# KiCad board sap-1_mk2.kicad_pcb (continued)
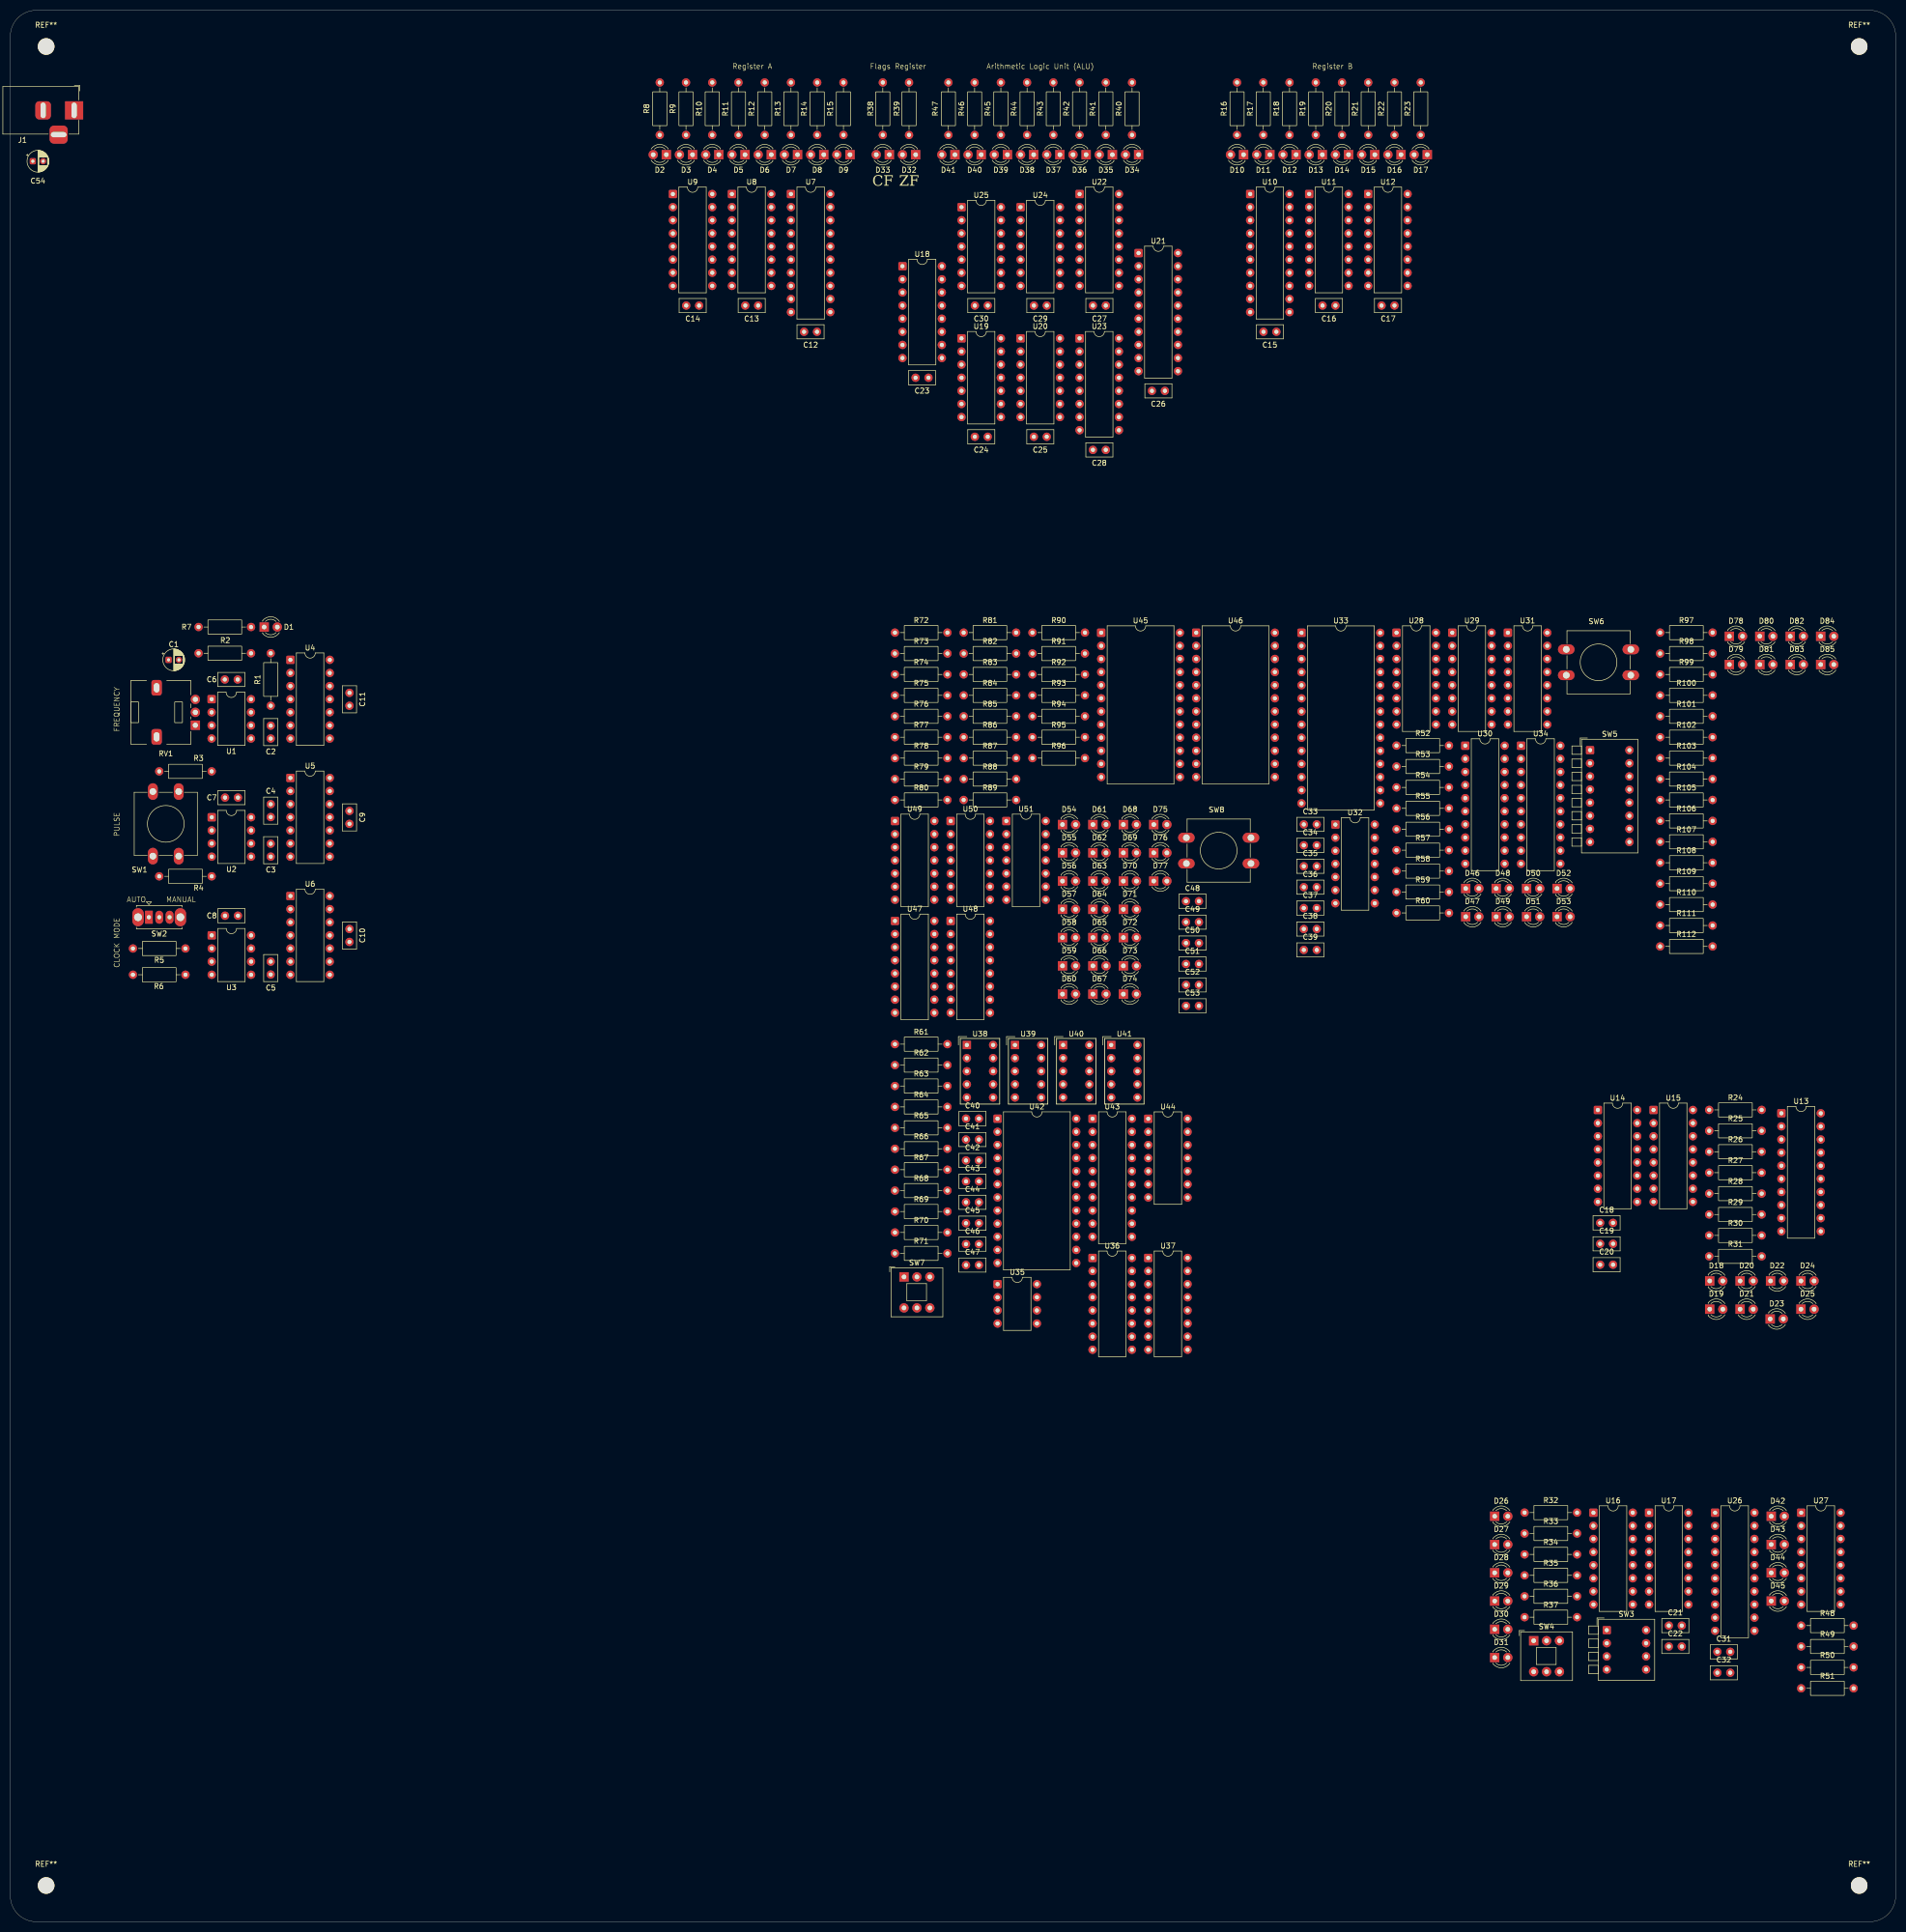
[diagram p0: board, top side]
## Placement (name value [footprint] x y rotation side) (continued)
R77  220  [R_Axial_DIN0207_L6.3mm_D2.5mm_P10.16mm_Horizontal]  171.26 229.29 0 top
R78  220  [R_Axial_DIN0207_L6.3mm_D2.5mm_P10.16mm_Horizontal]  171.26 225.24 0 top
R79  220  [R_Axial_DIN0207_L6.3mm_D2.5mm_P10.16mm_Horizontal]  171.26 221.19 0 top
R80  1K  [R_Axial_DIN0207_L6.3mm_D2.5mm_P10.16mm_Horizontal]  171.26 217.14 0 top
R81  220  [R_Axial_DIN0207_L6.3mm_D2.5mm_P10.16mm_Horizontal]  184.57 249.54 0 top
R82  220  [R_Axial_DIN0207_L6.3mm_D2.5mm_P10.16mm_Horizontal]  184.57 245.49 0 top
R83  220  [R_Axial_DIN0207_L6.3mm_D2.5mm_P10.16mm_Horizontal]  184.57 241.44 0 top
R84  220  [R_Axial_DIN0207_L6.3mm_D2.5mm_P10.16mm_Horizontal]  184.57 237.39 0 top
R85  220  [R_Axial_DIN0207_L6.3mm_D2.5mm_P10.16mm_Horizontal]  184.57 233.34 0 top
R86  220  [R_Axial_DIN0207_L6.3mm_D2.5mm_P10.16mm_Horizontal]  184.57 229.29 0 top
R87  220  [R_Axial_DIN0207_L6.3mm_D2.5mm_P10.16mm_Horizontal]  184.57 225.24 0 top
R88  220  [R_Axial_DIN0207_L6.3mm_D2.5mm_P10.16mm_Horizontal]  184.57 221.19 0 top
R89  220  [R_Axial_DIN0207_L6.3mm_D2.5mm_P10.16mm_Horizontal]  184.57 217.14 0 top
R90  220  [R_Axial_DIN0207_L6.3mm_D2.5mm_P10.16mm_Horizontal]  197.88 249.54 0 top
R91  220  [R_Axial_DIN0207_L6.3mm_D2.5mm_P10.16mm_Horizontal]  197.88 245.49 0 top
R92  220  [R_Axial_DIN0207_L6.3mm_D2.5mm_P10.16mm_Horizontal]  197.88 241.44 0 top
R93  220  [R_Axial_DIN0207_L6.3mm_D2.5mm_P10.16mm_Horizontal]  197.88 237.39 0 top
R94  220  [R_Axial_DIN0207_L6.3mm_D2.5mm_P10.16mm_Horizontal]  197.88 233.34 0 top
R95  220  [R_Axial_DIN0207_L6.3mm_D2.5mm_P10.16mm_Horizontal]  197.88 229.29 0 top
R96  220  [R_Axial_DIN0207_L6.3mm_D2.5mm_P10.16mm_Horizontal]  197.88 225.24 0 top
R97  220  [R_Axial_DIN0207_L6.3mm_D2.5mm_P10.16mm_Horizontal]  319.4 249.54 0 top
R98  220  [R_Axial_DIN0207_L6.3mm_D2.5mm_P10.16mm_Horizontal]  319.4 245.49 0 top
R99  220  [R_Axial_DIN0207_L6.3mm_D2.5mm_P10.16mm_Horizontal]  319.4 241.44 0 top
R100  220  [R_Axial_DIN0207_L6.3mm_D2.5mm_P10.16mm_Horizontal]  319.4 237.39 0 top
R101  220  [R_Axial_DIN0207_L6.3mm_D2.5mm_P10.16mm_Horizontal]  319.4 233.34 0 top
R102  220  [R_Axial_DIN0207_L6.3mm_D2.5mm_P10.16mm_Horizontal]  319.4 229.29 0 top
R103  220  [R_Axial_DIN0207_L6.3mm_D2.5mm_P10.16mm_Horizontal]  319.4 225.24 0 top
R104  220  [R_Axial_DIN0207_L6.3mm_D2.5mm_P10.16mm_Horizontal]  319.4 221.19 0 top
R105  10K  [R_Axial_DIN0207_L6.3mm_D2.5mm_P10.16mm_Horizontal]  319.4 217.14 0 top
R106  10K  [R_Axial_DIN0207_L6.3mm_D2.5mm_P10.16mm_Horizontal]  319.4 213.09 0 top
R107  10K  [R_Axial_DIN0207_L6.3mm_D2.5mm_P10.16mm_Horizontal]  319.4 209.04 0 top
R108  10K  [R_Axial_DIN0207_L6.3mm_D2.5mm_P10.16mm_Horizontal]  319.4 204.99 0 top
R109  10K  [R_Axial_DIN0207_L6.3mm_D2.5mm_P10.16mm_Horizontal]  319.4 200.94 0 top
R110  10K  [R_Axial_DIN0207_L6.3mm_D2.5mm_P10.16mm_Horizontal]  319.4 196.89 0 top
R111  10K  [R_Axial_DIN0207_L6.3mm_D2.5mm_P10.16mm_Horizontal]  319.4 192.84 0 top
R112  10K  [R_Axial_DIN0207_L6.3mm_D2.5mm_P10.16mm_Horizontal]  319.4 188.79 0 top
REF**  -  [MountingHole_3.2mm_M3]  357.93 363 0 top
REF**#2  -  [MountingHole_3.2mm_M3]  6.93 7 0 top
REF**#3  -  [MountingHole_3.2mm_M3]  6.93 363 0 top
REF**#4  -  [MountingHole_3.2mm_M3]  357.93 7 0 top
RV1  1M  [Potentiometer_Alps_RK09L_Single_Vertical]  35.82 231.61 180 top
SW1  SW_Push  [SW_PUSH-12mm]  27.6 206.27 90 top
SW2  SW_SPDT  [SW_Slide_SPDT_Straight_CK_OS102011MS2Q]  26.82 194.44 0 top
SW3  SW_DIP_x04  [SW_DIP_SPSTx04_Piano_10.8x11.72mm_W7.62mm_P2.54mm]  309.07 56.44 0 top
SW4  SW_SPDT  [SW_Push_2P2T_Toggle_CK_PVA2OAH5xxxxxxV2]  294.92 54.38 0 top
SW5  SW_DIP_x08  [SW_DIP_SPSTx08_Piano_10.8x21.88mm_W7.62mm_P2.54mm]  305.83 226.78 0 top
SW6  SW_Push  [SW_PUSH-12mm]  301.23 246.29 0 top
SW7  SW_SPDT  [SW_Push_2P2T_Toggle_CK_PVA2OAH5xxxxxxV2]  173.02 124.81 0 top
SW8  Reset  [SW_PUSH-12mm]  227.69 209.84 0 top
U1  NE555P  [DIP-8_W7.62mm]  38.97 236.65 0 top
U2  NE555P  [DIP-8_W7.62mm]  38.99 213.79 0 top
U3  NE555P  [DIP-8_W7.62mm]  38.99 190.93 0 top
U4  74LS04  [DIP-14_W7.62mm]  54.23 244.27 0 top
U5  74LS08  [DIP-14_W7.62mm]  54.23 221.41 0 top
U6  74LS32  [DIP-14_W7.62mm]  54.23 198.55 0 top
U7  74LS245  [DIP-20_W7.62mm]  151.13 334.44 0 top
U8  74LS173  [DIP-16_W7.62mm]  139.7 334.44 0 top
U9  74LS173  [DIP-16_W7.62mm]  128.27 334.44 0 top
U10  74LS245  [DIP-20_W7.62mm]  240.03 334.44 0 top
U11  74LS173  [DIP-16_W7.62mm]  251.46 334.44 0 top
U12  74LS173  [DIP-16_W7.62mm]  262.89 334.44 0 top
U13  74LS245  [DIP-20_W7.62mm]  342.88 156.5 0 top
U14  74LS173  [DIP-16_W7.62mm]  307.35 157.12 0 top
U15  74LS173  [DIP-16_W7.62mm]  318.12 157.12 0 top
U16  74LS173  [DIP-16_W7.62mm]  306.48 79.17 0 top
U17  74LS157  [DIP-16_W7.62mm]  317.26 79.17 0 top
U18  74LS173  [DIP-16_W7.62mm]  172.72 320.47 0 top
U19  74LS08  [DIP-14_W7.62mm]  184.15 306.5 0 top
U20  74LS02  [DIP-14_W7.62mm]  195.58 306.5 0 top
U21  74LS245  [DIP-20_W7.62mm]  218.44 323.01 0 top
U22  74LS283  [DIP-16_W7.62mm]  207.01 334.44 0 top
U23  74LS283  [DIP-16_W7.62mm]  207.01 306.5 0 top
U24  74LS86  [DIP-14_W7.62mm]  195.58 331.9 0 top
U25  74LS86  [DIP-14_W7.62mm]  184.15 331.9 0 top
U26  74LS245  [DIP-20_W7.62mm]  330.04 79.17 0 top
U27  74LS161  [DIP-16_W7.62mm]  346.71 79.17 0 top
U28  74LS257  [DIP-16_W7.62mm]  268.37 249.52 0 top
U29  74LS257  [DIP-16_W7.62mm]  279.15 249.52 0 top
U30  74LS245  [DIP-20_W7.62mm]  281.68 227.65 0 top
U31  74LS157  [DIP-16_W7.62mm]  289.93 249.52 0 top
U32  74LS00  [DIP-14_W7.62mm]  256.53 212.38 0 top
U33  CY62256-70PC  [DIP-28_W15.24mm]  249.97 249.51 0 top
U34  74LS245  [DIP-20_W7.62mm]  292.46 227.65 0 top
U35  NE555P  [DIP-8_W7.62mm]  191.13 123.41 0 top
U36  74LS76  [DIP-16_W7.62mm]  209.52 128.49 0 top
U37  74LS139  [DIP-16_W7.62mm]  220.3 128.49 0 top
U38  HDSP-7503  [HDSP-A151]  185.19 169.7 0 top
U39  HDSP-7503  [HDSP-A151]  194.5 169.7 0 top
U40  HDSP-7503  [HDSP-A151]  203.82 169.7 0 top
U41  HDSP-7503  [HDSP-A151]  213.13 169.7 0 top
U42  AT28C16  [DIP-24_W15.24mm]  191.12 155.44 0 top
U43  74LS273  [DIP-20_W7.62mm]  209.52 155.44 0 top
U44  74LS08  [DIP-14_W7.62mm]  220.3 155.43 0 top
U45  AT28C16  [DIP-24_W15.24mm]  211.19 249.52 0 top
U46  AT28C16  [DIP-24_W15.24mm]  229.58 249.52 0 top
U47  74LS161  [DIP-16_W7.62mm]  171.27 193.72 0 top
U48  74LS138  [DIP-16_W7.62mm]  182.05 193.72 0 top
U49  74LS00  [DIP-14_W7.62mm]  171.27 213.06 0 top
U50  74LS04  [DIP-14_W7.62mm]  182.05 213.06 0 top
U51  74LS04  [DIP-14_W7.62mm]  192.83 213.06 0 top

## Library data of the parts
C1 = -: Description: capacitor, small US symbol; KiLib_Generator: capacitor/THT/other; ki_fp_filters: C_*
C2-C53 = -: Description: Unpolarized capacitor, small symbol; KiLib_Generator: capacitor/THT/other; ki_fp_filters: C_*
C54 = -: Description: capacitor, US symbol; KiLib_Generator: capacitor/THT/other; ki_fp_filters: C_*
D1-D85 = -: Description: Light emitting diode; KiLib_Generator: LED/THT; Sim.Pins: 1=K 2=A; ki_fp_filters: LED* LED_SMD:* LED_THT:*
J1 = -: Description: DC Barrel Jack; ki_fp_filters: BarrelJack*
R1-R112 = -: Description: Resistor; KiLib_Generator: resistor/THT; ki_fp_filters: R_*
REF** REF**#2-REF**#4 = -: KiLib_Generator: mounting_hardware/mounting_hole
RV1 = -: Description: Trim-potentiometer; Sim.Device: R; Sim.Type: POT; Sim.Pins: 1=r0 2=wiper 3=r1; ki_fp_filters: Potentiometer*
SW1 SW6 SW8 = -: Description: Push button switch, generic, two pins
SW2 SW4 SW7 = -: Description: Switch, single pole double throw
SW3 = -: Description: 4x DIP Switch, Single Pole Single Throw (SPST) switch, small symbol; KiLib_Generator: button_switch/DIP; ki_fp_filters: SW?DIP?x4*
SW5 = -: Description: 8x DIP Switch, Single Pole Single Throw (SPST) switch, small symbol; KiLib_Generator: button_switch/DIP; ki_fp_filters: SW?DIP?x8*
U1-U3 U35 = -: Datasheet: http://www.ti.com/lit/ds/symlink/ne555.pdf; Description: Precision Timers, 555 compatible, PDIP-8; KiLib_Generator: package/DIP/legacy; ki_fp_filters: DIP*W7.62mm*
U4 U50 U51 = -: Datasheet: http://www.ti.com/lit/gpn/sn74LS04; Description: Hex Inverter; KiLib_Generator: package/DIP/legacy; ki_fp_filters: DIP*W7.62mm* SSOP?14* TSSOP?14*
U5 U19 U44 = -: Datasheet: http://www.ti.com/lit/gpn/sn74LS08; Description: Quad And2; KiLib_Generator: package/DIP/legacy; ki_fp_filters: DIP*W7.62mm*
U6 = -: Datasheet: http://www.ti.com/lit/gpn/sn74LS32; Description: Quad 2-input OR; KiLib_Generator: package/DIP/legacy; ki_fp_filters: DIP?14*
U7 U10 U13 U21 U26 U30 U34 = -: Datasheet: http://www.ti.com/lit/gpn/sn74LS245; Description: Octal BUS Transceivers, 3-State outputs; KiLib_Generator: package/DIP/legacy; ki_fp_filters: DIP?20*
U8 U9 U11 U12 U14-U16 U18 = -: Datasheet: http://www.ti.com/lit/gpn/sn74LS173; Description: 4-bit D-type Register, 3 state out; KiLib_Generator: package/DIP/legacy; ki_fp_filters: DIP?16*
U17 U31 = -: Datasheet: http://www.ti.com/lit/gpn/sn74LS157; Description: Quad 2 to 1 line Multiplexer; KiLib_Generator: package/DIP/legacy; ki_fp_filters: DIP?16*
U20 = -: Datasheet: http://www.ti.com/lit/gpn/sn74ls02; Description: quad 2-input NOR gate; KiLib_Generator: package/DIP/legacy; ki_fp_filters: SO14* DIP*W7.62mm*
U22 U23 U42 U45 U46 = -: KiLib_Generator: package/DIP/legacy
U24 U25 = -: Datasheet: https://www.jameco.com/Jameco/Products/ProdDS/48098.pdf; Description: Quad 2-input XOR; KiLib_Generator: package/DIP/legacy; ki_fp_filters: DIP*W7.62mm*
U27 U47 = -: Datasheet: http://www.ti.com/lit/gpn/sn74LS161; Description: Synchronous 4-bit programmable binary Counter; KiLib_Generator: package/DIP/legacy; ki_fp_filters: DIP?16*
U28 U29 = -: Datasheet: http://www.ti.com/lit/gpn/sn74LS257; Description: Quad 2 to 1 Multiplexer; KiLib_Generator: package/DIP/legacy; ki_fp_filters: DIP?16*
U32 U49 = -: Datasheet: http://www.ti.com/lit/gpn/sn74ls00; Description: quad 2-input NAND gate; KiLib_Generator: package/DIP/legacy; ki_fp_filters: DIP*W7.62mm* SO14*
U33 = -: Datasheet: https://ecee.colorado.edu/~mcclurel/Cypress_SRAM_CY62256.pdf; Description: 256K (32K x 8) Static RAM, 70ns, DIP-28; KiLib_Generator: package/DIP/legacy; ki_fp_filters: DIP*W15.24mm*
U36 = -: Datasheet: http://www.ti.com/lit/gpn/sn74LS76; Description: Dual JK Flip-flop, Set & Reset; KiLib_Generator: package/DIP/legacy; ki_fp_filters: DIP?16*
U37 = -: Datasheet: http://www.ti.com/lit/ds/symlink/sn74ls139a.pdf; Description: Dual Decoder 1 of 4, Active low outputs; KiLib_Generator: package/DIP/legacy; ki_fp_filters: DIP?16*
U38-U41 = -: Datasheet: https://docs.broadcom.com/docs/AV02-2553EN; Description: One digit 7 segment high efficiency red, common cathode; ki_fp_filters: HDSP?A151*
U43 = -: Datasheet: http://www.ti.com/lit/gpn/sn74LS273; Description: 8-bit D Flip-Flop, reset; KiLib_Generator: package/DIP/legacy; ki_fp_filters: DIP?20* SO?20* SOIC?20*
U48 = -: Datasheet: http://www.ti.com/lit/gpn/sn74LS138; Description: Decoder 3 to 8 active low outputs; KiLib_Generator: package/DIP/legacy; ki_fp_filters: DIP?16*

## Footprints (pads in the part's own frame, mm; a bottom-side part is the same pattern mirrored in y, then rotated)
BarrelJack_Horizontal
  rect 3.5x3.5 hole 1x3: 1(0,0)
  rrect 3x3.5 hole 1x3: 2(-6,0)
  rrect 3.5x3.5 hole 3x1: 3(-3,-4.7)
C_Disc_D5.0mm_W2.5mm_P2.50mm
  round 1.6 hole 0.8: 1(0,0) 2(2.5,0)
CP_Radial_D4.0mm_P2.00mm
  rrect 1.2x1.2 hole 0.6: 1(0,0)
  round 1.2 hole 0.6: 2(2,0)
DIP-8_W7.62mm
  rrect 1.6x1.6 hole 0.8: 1(0,0)
  round 1.6 hole 0.8: 2(0,-2.54) 3(0,-5.08) 4(0,-7.62) 5(7.62,-7.62) 6(7.62,-5.08) 7(7.62,-2.54) 8(7.62,0)
DIP-14_W7.62mm
  rrect 1.6x1.6 hole 0.8: 1(0,0)
  round 1.6 hole 0.8: 2(0,-2.54) 3(0,-5.08) 4(0,-7.62) 5(0,-10.16) 6(0,-12.7) 7(0,-15.24) 8(7.62,-15.24) 9(7.62,-12.7) 10(7.62,-10.16) 11(7.62,-7.62) 12(7.62,-5.08) 13(7.62,-2.54) 14(7.62,0)
DIP-16_W7.62mm
  rrect 1.6x1.6 hole 0.8: 1(0,0)
  round 1.6 hole 0.8: 2(0,-2.54) 3(0,-5.08) 4(0,-7.62) 5(0,-10.16) 6(0,-12.7) 7(0,-15.24) 8(0,-17.78) 9(7.62,-17.78) 10(7.62,-15.24) 11(7.62,-12.7) 12(7.62,-10.16) 13(7.62,-7.62) 14(7.62,-5.08) 15(7.62,-2.54) 16(7.62,0)
DIP-20_W7.62mm
  rrect 1.6x1.6 hole 0.8: 1(0,0)
  round 1.6 hole 0.8: 2(0,-2.54) 3(0,-5.08) 4(0,-7.62) 5(0,-10.16) 6(0,-12.7) 7(0,-15.24) 8(0,-17.78) 9(0,-20.32) 10(0,-22.86) 11(7.62,-22.86) 12(7.62,-20.32) 13(7.62,-17.78) 14(7.62,-15.24) 15(7.62,-12.7) 16(7.62,-10.16) 17(7.62,-7.62) 18(7.62,-5.08) 19(7.62,-2.54) 20(7.62,0)
DIP-24_W15.24mm
  rrect 1.6x1.6 hole 0.8: 1(0,0)
  round 1.6 hole 0.8: 2(0,-2.54) 3(0,-5.08) 4(0,-7.62) 5(0,-10.16) 6(0,-12.7) 7(0,-15.24) 8(0,-17.78) 9(0,-20.32) 10(0,-22.86) 11(0,-25.4) 12(0,-27.94) 13(15.24,-27.94) 14(15.24,-25.4) 15(15.24,-22.86) 16(15.24,-20.32) 17(15.24,-17.78) 18(15.24,-15.24) 19(15.24,-12.7) 20(15.24,-10.16) 21(15.24,-7.62) 22(15.24,-5.08) 23(15.24,-2.54) 24(15.24,0)
DIP-28_W15.24mm
  rrect 1.6x1.6 hole 0.8: 1(0,0)
  round 1.6 hole 0.8: 2(0,-2.54) 3(0,-5.08) 4(0,-7.62) 5(0,-10.16) 6(0,-12.7) 7(0,-15.24) 8(0,-17.78) 9(0,-20.32) 10(0,-22.86) 11(0,-25.4) 12(0,-27.94) 13(0,-30.48) 14(0,-33.02) 15(15.24,-33.02) 16(15.24,-30.48) 17(15.24,-27.94) 18(15.24,-25.4) 19(15.24,-22.86) 20(15.24,-20.32) 21(15.24,-17.78) 22(15.24,-15.24) 23(15.24,-12.7) 24(15.24,-10.16) 25(15.24,-7.62) 26(15.24,-5.08) 27(15.24,-2.54) 28(15.24,0)
HDSP-A151
  rect 1.6x1.6 hole 0.8: 1(0,0)
  round 1.6 hole 0.8: 2(0,-2.54) 3(0,-5.08) 4(0,-7.62) 5(0,-10.16) 6(5.08,-10.16) 7(5.08,-7.62) 8(5.08,-5.08) 9(5.08,-2.54) 10(5.08,0)
LED_D3.0mm
  rect 1.8x1.8 hole 0.9: 1(0,0)
  round 1.8 hole 0.9: 2(2.54,0)
MountingHole_3.2mm_M3
  round 3.2 hole 3.2 unplated: (0,0)
Potentiometer_Alps_RK09L_Single_Vertical
  rect 1.8x1.8 hole 1: 1(0,0)
  round 1.8 hole 1: 2(0,-2.5) 3(0,-5)
  rrect 2x3 hole 1.1x1.8: MP(7.5,2.25) MP(7.5,-7.25)
R_Axial_DIN0207_L6.3mm_D2.5mm_P10.16mm_Horizontal
  round 1.6 hole 0.8: 1(0,0) 2(10.16,0)
SW_DIP_SPSTx04_Piano_10.8x11.72mm_W7.62mm_P2.54mm
  rrect 1.6x1.6 hole 0.8: 1(0,0)
  round 1.6 hole 0.8: 2(0,-2.54) 3(0,-5.08) 4(0,-7.62) 5(7.62,-7.62) 6(7.62,-5.08) 7(7.62,-2.54) 8(7.62,0)
SW_DIP_SPSTx08_Piano_10.8x21.88mm_W7.62mm_P2.54mm
  rrect 1.6x1.6 hole 0.8: 1(0,0)
  round 1.6 hole 0.8: 2(0,-2.54) 3(0,-5.08) 4(0,-7.62) 5(0,-10.16) 6(0,-12.7) 7(0,-15.24) 8(0,-17.78) 9(7.62,-17.78) 10(7.62,-15.24) 11(7.62,-12.7) 12(7.62,-10.16) 13(7.62,-7.62) 14(7.62,-5.08) 15(7.62,-2.54) 16(7.62,0)
SW_PUSH-12mm
  oval 3.2x1.9 hole 1.3: 1(0,0) 1(12.5,0) 2(0,-5) 2(12.5,-5)
SW_Push_2P2T_Toggle_CK_PVA2OAH5xxxxxxV2
  rect 1.8x1.8 hole 0.9: 1(0,0)
  round 1.8 hole 0.9: 2(2.5,0) 3(5,0) 4(0,-6) 5(2.5,-6) 6(5,-6)
SW_Slide_SPDT_Straight_CK_OS102011MS2Q
  oval 2.2x3.5 hole 1.5: (-2.1,0) (6.1,0)
  rect 1.5x2.5 hole 0.8: 1(0,0)
  oval 1.5x2.5 hole 0.8: 2(2,0) 3(4,0)

## Nets
+5V: C6.1 C7.1 C8.1 C9.1 C10.1 C11.1 C12.2 C13.2 C14.2 C15.2 C16.2 C17.2 C18.2 C19.2 C20.2 C21.2 C22.1 C23.1 C24.2 C25.2 C26.1 C29.2 C30.2 C31.1 C32.1 C33.2 C34.2 C35.2 C36.1 C38.1 C39.2 C40.2 C43.2 C44.2 C45.1 C46.1 C47.2 C48.1 C49.1 C50.1 C51.1 C52.2 C53.2 C54.1 J1.1 R1.1 R5.1 R6.1 R36.2 R37.2 R61.1 R75.2 R76.2 R77.2 R78.2 R79.2 SW7.3 SW8.1 U1.4 U1.8 U2.8 U3.8 U4.14 U5.14 U6.14 U7.1 U7.20 U8.16 U9.16 U10.1 U10.19 U10.20 U11.16 U12.16 U13.1 U13.20 U14.16 U15.16 U16.16 U17.16 U18.16 U19.14 U20.14 U21.1 U21.20 U24.14 U25.14 U26.20 U27.16 U28.16 U29.16 U30.1 U30.20 U31.16 U33.28 U34.1 U34.20 U35.8 U36.2 U36.3 U36.4 U36.5 U36.7 U36.8 U36.9 U36.12 U36.16 U37.15 U37.16 U42.21 U42.24 U43.20 U44.14 U45.21 U45.24 U46.1 U46.21 U46.24 U47.7 U47.9 U47.10 U47.16 U48.6 U48.16 U49.14 U50.14
GND: C1.2 C2.2 C3.2 C4.2 C5.2 C6.2 C7.2 C8.2 C9.2 C10.2 C11.2 C12.1 C13.1 C14.1 C15.1 C16.1 C17.1 C18.1 C19.1 C20.1 C21.1 C22.2 C23.2 C24.1 C25.1 C26.2 C29.1 C30.1 C31.2 C32.2 C33.1 C34.1 C35.1 C36.2 C38.2 C39.1 C40.1 C41.2 C42.2 C43.1 C44.1 C45.2 C46.2 C47.1 C48.2 C49.2 C50.2 C51.2 C52.1 C53.1 C54.2 J1.2 R7.2 R8.2 R9.2 R10.2 R11.2 R12.2 R13.2 R14.2 R15.2 R16.2 R17.2 R18.2 R19.2 R20.2 R21.2 R22.2 R23.2 R24.2 R25.2 R26.2 R27.2 R28.2 R29.2 R30.2 R31.2 R32.2 R33.2 R34.2 R35.2 R38.2 R39.2 R40.1 R41.1 R42.1 R43.1 R44.1 R45.1 R46.1 R47.1 R48.1 R49.1 R50.1 R51.1 R52.2 R53.2 R54.2 R55.2 R56.2 R57.2 R58.2 R59.2 R60.2 R63.2 R72.1 R73.1 R74.1 R80.1 R81.1 R82.1 R83.1 R84.1 R85.1 R86.1 R87.1 R88.1 R89.1 R90.1 R91.1 R92.1 R93.1 R94.1 R95.1 R96.1 R97.2 R98.2 R99.2 R100.2 R101.2 R102.2 R103.2 R104.2 R105.2 R106.2 R107.2 R108.2 R109.2 R110.2 R111.2 R112.2 SW1.1 SW2.2 SW3.3 SW3.4 SW3.7 SW3.8 SW4.2 SW5.3 SW5.4 SW5.7 SW5.8 SW5.11 SW5.12 SW5.15 SW5.16 SW6.1 U1.1 U2.1 U3.1 U3.6 U4.3 U4.5 U4.7 U4.11 U5.7 U5.12 U5.13 U6.4 U6.5 U6.7 U6.9 U6.10 U6.12 U6.13 U7.10 U8.1 U8.2 U8.8 U9.1 U9.2 U9.8 U10.10 U11.1 U11.2 U11.8 U12.1 U12.2 U12.8 U13.6 U13.7 U13.8 U13.9 U13.10 U14.1 U14.2 U14.8 U15.1 U15.2 U15.8 U16.1 U16.2 U16.8 U17.8 U17.15 U18.1 U18.2 U18.8 U19.7 U19.12 U19.13 U20.7 U21.10 U24.7 U25.7 U26.1 U26.10 U27.8 U28.8 U29.8 U30.10 U31.8 U31.15 U33.1 U33.2 U33.3 U33.4 U33.5 U33.6 U33.14 U33.20 U33.21 U33.22 U33.23 U33.24 U33.25 U33.26 U34.10 U34.19 U35.1 U36.13 U37.1 U37.8 U37.13 U37.14 U42.12 U42.18 U42.20 U43.10 U44.4 U44.5 U44.7 U44.9 U44.10 U44.12 U44.13 U45.1 U45.12 U45.18 U45.19 U45.20 U46.12 U46.18 U46.19 U46.20 U47.8 U48.4 U48.5 U48.8 U49.7 U50.7
/A_Register/~{AI}: U8.9 U8.10 U9.9 U9.10 U50.10
/A_Register/~{AO}: U7.19 U50.8
/ALU/A_0: D9.2 U7.9 U9.6 U23.5
/ALU/A_1: D8.2 U7.8 U9.5 U23.3
/ALU/A_2: D7.2 U7.7 U9.4 U23.14
/ALU/A_3: D6.2 U7.6 U9.3 U23.12
/ALU/A_4: D5.2 U7.5 U8.6 U22.5
/ALU/A_5: D4.2 U7.4 U8.5 U22.3
/ALU/A_6: D3.2 U7.3 U8.4 U22.14
/ALU/A_7: D2.2 U7.2 U8.3 U22.12
/ALU/B_0: D17.2 U10.9 U12.6 U25.4
/ALU/B_1: D16.2 U10.8 U12.5 U25.1
/ALU/B_2: D15.2 U10.7 U12.4 U25.12
/ALU/B_3: D14.2 U10.6 U12.3 U25.9
/ALU/B_4: D13.2 U10.5 U11.6 U24.4
/ALU/B_5: D12.2 U10.4 U11.5 U24.1
/ALU/B_6: D11.2 U10.3 U11.4 U24.12
/ALU/B_7: D10.2 U10.2 U11.3 U24.9
/ALU/BUS_0: D85.2 R112.1 U7.11 U9.11 U10.11 U12.11 U13.11 U15.11 U16.11 U21.11 U26.9 U27.6 U29.10 U30.11 U43.3
/ALU/BUS_1: D84.2 R111.1 U7.12 U9.12 U10.12 U12.12 U13.12 U15.12 U16.12 U21.12 U26.8 U27.5 U29.13 U30.12 U43.4
/ALU/BUS_2: D83.2 R110.1 U7.13 U9.13 U10.13 U12.13 U13.13 U15.13 U16.13 U21.13 U26.7 U27.4 U29.6 U30.13 U43.7
/ALU/BUS_3: D82.2 R109.1 U7.14 U9.14 U10.14 U12.14 U13.14 U15.14 U16.14 U21.14 U26.6 U27.3 U29.3 U30.14 U43.8
/ALU/BUS_4: D81.2 R108.1 U7.15 U8.11 U10.15 U11.11 U13.15 U14.11 U21.15 U28.10 U30.15 U43.13
/ALU/BUS_5: D80.2 R107.1 U7.16 U8.12 U10.16 U11.12 U13.16 U14.12 U21.16 U28.13 U30.16 U43.14
/ALU/BUS_6: D79.2 R106.1 U7.17 U8.13 U10.17 U11.13 U13.17 U14.13 U21.17 U28.6 U30.17 U43.17
/ALU/BUS_7: D78.2 R105.1 U7.18 U8.14 U10.18 U11.14 U13.18 U14.14 U21.18 U28.3 U30.18 U43.18
/ALU/CF: D33.2 U18.3 U45.23 U46.23
/ALU/CLK: C37.1 D1.2 U4.13 U5.8 U8.7 U9.7 U11.7 U12.7 U14.7 U15.7 U16.7 U18.7 U27.2 U44.2
/ALU/CLR: U8.15 U9.15 U11.15 U12.15 U14.15 U15.15 U16.15 U18.15 U49.11
/ALU/SU: D71.2 U23.7 U24.2 U24.5 U24.10 U24.13 U25.2 U25.5 U25.10 U25.13 U46.16
/ALU/ZF: D32.2 U18.4 U45.22 U46.22
/ALU/~{EO}: U21.19 U51.2
/ALU/~{FI}: U18.9 U18.10 U51.6
/B_Register/~{BI}: U11.9 U11.10 U12.9 U12.10 U51.4
/Clock_Module/HLT: D62.2 U4.9 U45.17
/Clock_Module/~{CLK}: U4.12 U47.2
/Control_Logic/CE: D74.2 U27.7 U27.10 U46.13
/Control_Logic/IR_4: D25.2 U14.3 U45.5 U46.5
/Control_Logic/IR_5: D24.2 U14.4 U45.4 U46.4
/Control_Logic/IR_6: D23.2 U14.5 U45.3 U46.3
/Control_Logic/IR_7: D22.2 U14.6 U45.2 U46.2
/Control_Logic/OI: D73.2 U44.1 U46.14
/Control_Logic/RI: D64.2 U32.2 U45.15
/Control_Logic/~{CLR}: U27.1 U43.1 U49.4 U49.8 U49.12 U49.13
/Control_Logic/~{CO}: U26.19 U51.12
/Control_Logic/~{II}: U14.9 U14.10 U15.9 U15.10 U50.12
/Control_Logic/~{IO}: U13.19 U50.6
/Control_Logic/~{J}: U27.9 U51.10
/Control_Logic/~{MI}: U16.9 U16.10 U50.2
/Control_Logic/~{RO}: U30.19 U50.4
/MAR/A0: D29.2 U17.12 U33.10
/MAR/A1: D28.2 U17.9 U33.9
/MAR/A2: D27.2 U17.7 U33.8
/MAR/A3: D26.2 U17.4 U33.7
/MAR/PROG: D30.1 SW4.1 U17.1 U28.1 U29.1 U31.1
Net-(C37-Pad2): C37.2 R60.1 U32.1
Net-(D1-K): D1.1 R7.1
Net-(D2-K): D2.1 R8.1
Net-(D3-K): D3.1 R9.1
Net-(D4-K): D4.1 R10.1
Net-(D5-K): D5.1 R11.1
Net-(D6-K): D6.1 R12.1
Net-(D7-K): D7.1 R13.1
Net-(D8-K): D8.1 R14.1
Net-(D9-K): D9.1 R15.1
Net-(D10-K): D10.1 R16.1
Net-(D11-K): D11.1 R17.1
Net-(D12-K): D12.1 R18.1
Net-(D13-K): D13.1 R19.1
Net-(D14-K): D14.1 R20.1
Net-(D15-K): D15.1 R21.1
Net-(D16-K): D16.1 R22.1
Net-(D17-K): D17.1 R23.1
Net-(D18-A): D18.2 U13.5 U15.6
Net-(D18-K): D18.1 R24.1
Net-(D19-A): D19.2 U13.4 U15.5
Net-(D19-K): D19.1 R25.1
Net-(D20-A): D20.2 U13.3 U15.4
Net-(D20-K): D20.1 R26.1
Net-(D21-A): D21.2 U13.2 U15.3
Net-(D21-K): D21.1 R27.1
Net-(D22-K): D22.1 R28.1
Net-(D23-K): D23.1 R29.1
Net-(D24-K): D24.1 R30.1
Net-(D25-K): D25.1 R31.1
Net-(D26-K): D26.1 R32.1
Net-(D27-K): D27.1 R33.1
Net-(D28-K): D28.1 R34.1
Net-(D29-K): D29.1 R35.1
Net-(D30-A): D30.2 R36.1
Net-(D31-A): D31.2 R37.1
Net-(D31-K): D31.1 SW4.3
Net-(D32-K): D32.1 R39.1
Net-(D33-K): D33.1 R38.1
Net-(D34-A): D34.2 U20.2 U21.2 U22.10
Net-(D34-K): D34.1 R40.2
Net-(D35-A): D35.2 U20.3 U21.3 U22.13
Net-(D35-K): D35.1 R41.2
Net-(D36-A): D36.2 U20.5 U21.4 U22.1
Net-(D36-K): D36.1 R42.2
Net-(D37-A): D37.2 U20.6 U21.5 U22.4
Net-(D37-K): D37.1 R43.2
Net-(D38-A): D38.2 U20.8 U21.6 U23.10
Net-(D38-K): D38.1 R44.2
Net-(D39-A): D39.2 U20.9 U21.7 U23.13
Net-(D39-K): D39.1 R45.2
Net-(D40-A): D40.2 U20.11 U21.8 U23.1
Net-(D40-K): D40.1 R46.2
Net-(D41-A): D41.2 U20.12 U21.9 U23.4
Net-(D41-K): D41.1 R47.2
Net-(D42-A): D42.2 U26.14 U27.11
Net-(D42-K): D42.1 R48.2
Net-(D43-A): D43.2 U26.13 U27.12
Net-(D43-K): D43.1 R49.2
Net-(D44-A): D44.2 U26.12 U27.13
Net-(D44-K): D44.1 R50.2
Net-(D45-A): D45.2 U26.11 U27.14
Net-(D45-K): D45.1 R51.2
Net-(D46-A): D46.2 U34.18
Net-(D46-K): D46.1 R52.1
Net-(D47-A): D47.2 U34.17
Net-(D47-K): D47.1 R53.1
Net-(D48-A): D48.2 U34.16
Net-(D48-K): D48.1 R54.1
Net-(D49-A): D49.2 U34.15
Net-(D49-K): D49.1 R55.1
Net-(D50-A): D50.2 U34.14
Net-(D50-K): D50.1 R56.1
Net-(D51-A): D51.2 U34.13
Net-(D51-K): D51.1 R57.1
Net-(D52-A): D52.2 U34.12
Net-(D52-K): D52.1 R58.1
Net-(D53-A): D53.2 U34.11
Net-(D53-K): D53.1 R59.1
Net-(D54-A): D54.2 U45.8 U46.8 U47.14 U48.1
Net-(D54-K): D54.1 R72.2
Net-(D55-A): D55.2 U45.7 U46.7 U47.13 U48.2
Net-(D55-K): D55.1 R73.2
Net-(D56-A): D56.2 U45.6 U46.6 U47.12 U48.3
Net-(D56-K): D56.1 R74.2
Net-(D57-A): D57.2 R75.1
Net-(D57-K): D57.1 U48.11
Net-(D58-A): D58.2 R76.1
Net-(D58-K): D58.1 U48.12
Net-(D59-A): D59.2 R77.1
Net-(D59-K): D59.1 U48.13
Net-(D60-A): D60.2 R78.1
Net-(D60-K): D60.1 U48.14
Net-(D61-A): D61.2 R79.1
Net-(D61-K): D61.1 U48.15
Net-(D62-K): D62.1 R81.2
Net-(D63-A): D63.2 U45.16 U50.1
Net-(D63-K): D63.1 R82.2
Net-(D64-K): D64.1 R83.2
Net-(D65-A): D65.2 U45.14 U50.3
Net-(D65-K): D65.1 R84.2
Net-(D66-A): D66.2 U45.13 U50.5
Net-(D66-K): D66.1 R85.2
Net-(D67-A): D67.2 U45.11 U50.13
Net-(D67-K): D67.1 R86.2
Net-(D68-A): D68.2 U45.10 U50.11
Net-(D68-K): D68.1 R87.2
Net-(D69-A): D69.2 U45.9 U50.9
Net-(D69-K): D69.1 R88.2
Net-(D70-A): D70.2 U46.17 U51.1
Net-(D70-K): D70.1 R89.2
Net-(D71-K): D71.1 R90.2
Net-(D72-A): D72.2 U46.15 U51.3
Net-(D72-K): D72.1 R91.2
Net-(D73-K): D73.1 R92.2
Net-(D74-K): D74.1 R93.2
Net-(D75-A): D75.2 U46.11 U51.13
Net-(D75-K): D75.1 R94.2
Net-(D76-A): D76.2 U46.10 U51.11
Net-(D76-K): D76.1 R95.2
Net-(D77-A): D77.2 U46.9 U51.5
Net-(D77-K): D77.1 R96.2
Net-(D78-K): D78.1 R97.1
Net-(D79-K): D79.1 R98.1
Net-(D80-K): D80.1 R99.1
Net-(D81-K): D81.1 R100.1
Net-(D82-K): D82.1 R101.1
Net-(D83-K): D83.1 R102.1
Net-(D84-K): D84.1 R103.1
Net-(D85-K): D85.1 R104.1
Net-(R2-Pad2): R2.2 RV1.2 RV1.3
Net-(R80-Pad2): R80.2 SW8.2 U49.9 U49.10
Net-(SW2-A): R5.2 SW2.1 U3.2
Net-(SW2-C): R6.2 SW2.3 U3.4
Net-(SW7-A): R63.1 SW7.1
Net-(SW7-B): SW7.2 U42.19
Net-(U1-CONT): C2.1 U1.5
Net-(U1-DISCH): R1.2 R2.1 U1.7
Net-(U1-OUT): U1.3 U5.1
Net-(U1-THRES): C1.1 RV1.1 U1.2 U1.6
Net-(U2-CONT): C3.1 U2.5
Net-(U2-DISCH): C4.1 R4.2 U2.6 U2.7
Net-(U2-OUT): U2.3 U5.5
Net-(U2-TRIG): R3.2 SW1.2 U2.2
Net-(U2-~{RST}): R3.1 R4.1 U2.4
Net-(U3-CONT): C5.1 U3.5
Net-(U3-OUT): U3.3 U4.1 U5.2
Net-(U4-Pad2): U4.2 U5.4
Net-(U4-Pad8): U4.8 U5.10
Net-(U5-Pad3): U5.3 U6.1
Net-(U5-Pad6): U5.6 U6.2
Net-(U5-Pad9): U5.9 U6.3
Net-(U16-Q0): U16.3 U17.3
Net-(U16-Q1): U16.4 U17.6
Net-(U16-Q2): U16.5 U17.10
Net-(U16-Q3): U16.6 U17.13
Net-(U17-I0a): SW3.5 U17.2
Net-(U17-I0b): SW3.6 U17.5
Net-(U17-I0c): SW3.2 U17.11
Net-(U17-I0d): SW3.1 U17.14
Net-(U18-D0): U18.14 U22.9
Net-(U18-D1): U18.13 U19.6
Net-(U19-Pad1): U19.1 U20.1
Net-(U19-Pad2): U19.2 U20.4
Net-(U19-Pad3): U19.3 U19.4
Net-(U19-Pad5): U19.5 U19.8
Net-(U19-Pad9): U19.9 U20.10
Net-(U19-Pad10): U19.10 U20.13
Net-(U22-B1): U22.6 U24.6
Net-(U22-B2): U22.2 U24.3
Net-(U22-B3): U22.15 U24.11
Net-(U22-B4): U22.11 U24.8
Net-(U22-C0): U22.7 U23.9
Net-(U22-GND): C27.1 U22.8
Net-(U22-VCC): C27.2 U22.16
Net-(U23-B1): U23.6 U25.6
Net-(U23-B2): U23.2 U25.3
Net-(U23-B3): U23.15 U25.11
Net-(U23-B4): U23.11 U25.8
Net-(U23-GND): C28.1 U23.8
Net-(U23-VCC): C28.2 U23.16
Net-(U28-I0a): SW5.9 U28.2
Net-(U28-I0b): SW5.10 U28.5
Net-(U28-I0c): SW5.6 U28.14
Net-(U28-I0d): SW5.5 U28.11
Net-(U28-OE): U28.15 U29.15 U31.9 U33.27
Net-(U28-Za): U28.4 U30.6 U33.16 U34.6
Net-(U28-Zb): U28.7 U30.7 U33.17 U34.7
Net-(U28-Zc): U28.12 U30.8 U33.18 U34.8
Net-(U28-Zd): U28.9 U30.9 U33.19 U34.9
Net-(U29-I0a): SW5.13 U29.2
Net-(U29-I0b): SW5.14 U29.5
Net-(U29-I0c): SW5.2 U29.14
Net-(U29-I0d): SW5.1 U29.11
Net-(U29-Za): U29.4 U30.2 U33.11 U34.2
Net-(U29-Zb): U29.7 U30.3 U33.12 U34.3
Net-(U29-Zc): U29.12 U30.4 U33.13 U34.4
Net-(U29-Zd): U29.9 U30.5 U33.15 U34.5
Net-(U31-I0c): SW6.2 U31.11
Net-(U31-I1c): U31.10 U32.3
Net-(U35-CONT): C41.1 U35.5
Net-(U35-DISCH): R61.2 R62.2 U35.7
Net-(U35-OUT): U35.3 U36.1
Net-(U35-THRES): C42.1 R62.1 U35.2 U35.6
Net-(U36A-~{Q}): U36.6 U36.14 U37.2 U42.23
Net-(U36B-~{Q}): U36.10 U37.3 U42.22
Net-(U37A-O0): U37.4 U41.1 U41.6
Net-(U37A-O1): U37.5 U40.1 U40.6
Net-(U37A-O2): U37.6 U39.1 U39.6
Net-(U37A-O3): U37.7 U38.1 U38.6
Net-(U38-A): R70.2 U38.10 U39.10 U40.10 U41.10
Net-(U38-B): R69.2 U38.9 U39.9 U40.9 U41.9
Net-(U38-C): R68.2 U38.8 U39.8 U40.8 U41.8
Net-(U38-D): R67.2 U38.5 U39.5 U40.5 U41.5
Net-(U38-DP): R71.2 U38.7 U39.7 U40.7 U41.7
Net-(U38-E): R66.2 U38.4 U39.4 U40.4 U41.4
Net-(U38-F): R65.2 U38.2 U39.2 U40.2 U41.2
Net-(U38-G): R64.2 U38.3 U39.3 U40.3 U41.3
Net-(U42-A0): U42.8 U43.2
Net-(U42-A1): U42.7 U43.5
Net-(U42-A2): U42.6 U43.6
Net-(U42-A3): U42.5 U43.9
Net-(U42-A4): U42.4 U43.12
Net-(U42-A5): U42.3 U43.15
Net-(U42-A6): U42.2 U43.16
Net-(U42-A7): U42.1 U43.19
Net-(U42-D0): R64.1 U42.9
Net-(U42-D1): R65.1 U42.10
Net-(U42-D2): R66.1 U42.11
Net-(U42-D3): R67.1 U42.13
Net-(U42-D4): R68.1 U42.14
Net-(U42-D5): R69.1 U42.15
Net-(U42-D6): R70.1 U42.16
Net-(U42-D7): R71.1 U42.17
Net-(U43-Cp): U43.11 U44.3
Net-(U47-~{MR}): U47.1 U49.3
Net-(U48-O5): U48.10 U49.5
Net-(U49-Pad1): U49.1 U49.2 U49.6

Pads without a net: J1 3; RV1 MP; SW4 4 5 6; SW7 4 5 6; U3 7; U4 4 6 10; U5 11; U6 6 8 11; U18 5 6 11 12; U19 11; U26 2 3 4 5 15 16 17 18; U27 15; U31 2 3 4 5 6 7 12 13 14; U32 4 5 6 7 8 9 10 11 12 13 14; U35 4; U36 11 15; U37 9 10 11 12; U44 6 8 11; U47 3 4 5 6 11 15; U48 7 9; U51 7 8 9 14

## Copper pours and planes (outline as drawn; the poured copper is in the pictures)
+5V on VCC_PLANE: -0.07,370 364.93,370 364.93,0 -0.07,0
GND on GND_PLANE: -0.07,370 364.93,370 364.93,0 -0.07,0

## Text on the board
F.Silkscreen: AUTO | MANUAL | Register A | Flags Register | Register B | Arithmetic Logic Unit (ALU) | FREQUENCY | PULSE | CLOCK MODE | CF | ZF
